# KiCad board ControlBoard.kicad_pcb (continued)
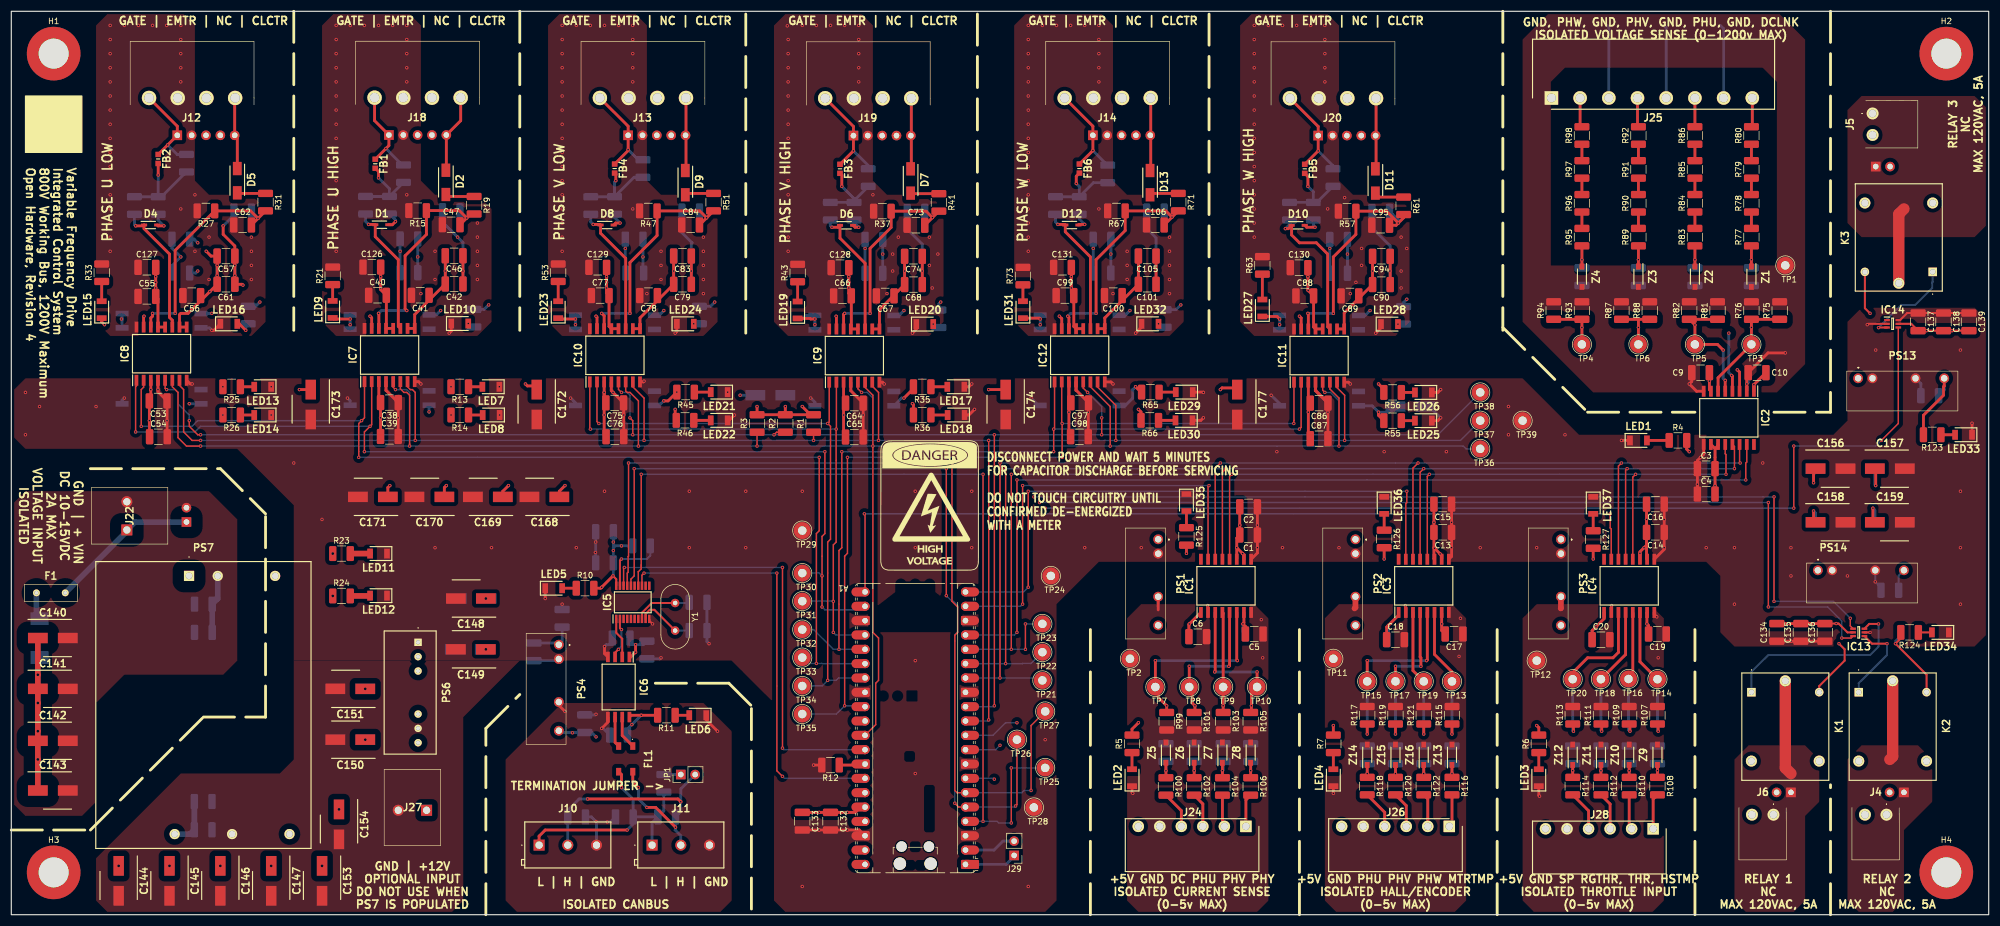
[diagram p0: board, top side]
## Routing (per net, layer and track width the routed paths; a pad name or vN(x,y) marks a point on that pad's centre or on a via; arc(x,y) is an arc through that point) (continued)
  Top w0.5: IC7.4 66.33,92.86 C38.1 v1(68.48,88) C39.2 ; 108.4,90 v1(108.4,88.5) ; v1(108.4,88.5) 108.4,89 ; v1(108.4,88.5) C76.2 ; C98.2 v1(190.62,89) 190.62,90.74 188.47,92.9 IC12.4 188.47,92.85 ; 290.81,62.96 292.56,64.71 v1(292.56,65) v1(292.56,70) C16.1 ; v1(237,94) 236.69,94.31 IC11.8 ; v1(170,94) 169.5,93.5 LED17.1 ; C75.1 v1(106.51,92.51) 106.21,92.81 IC10.4 ; LED25.1 252.5,87.5 v1(253,88) ; LED18.1 169.5,88.5 v1(170.5,89.5) ; v1(298.44,76.25) C4.1 C3.1 298.44,80.44 v1(299,81) 299.56,81.56 IC2.9 ; LED26.1 252.5,92.5 v1(253,93) ; v1(32,94) 31.69,94 IC8.8 ; C133.2 v1(143,15) v1(148,15) 150.1,15 A1.38 ; v1(211,88) 210.55,87.55 LED30.1 ; LED1.1 v1(285,84) ; v1(128,88.5) 127.05,87.55 LED22.1 ; LED33.1 v1(347.05,87.05) ; C87.2 v1(233.04,89) 233.04,90.65 230.84,92.85 230.84,94.31 230.84,92.8 C86.1 ; IC7.8 72.09,94.41 v1(72.5,94) ; C65.2 v1(150.78,88.5) C64.1 148.59,92.8 IC9.4 ; IC12.8 194.64,94.36 v1(195,94) ; v1(105,47.5) 105,46.25 IC6.4 ; LED5.1 v1(94.5,56) ; C134.1 v1(315,48.44) v1(319,48.44) C136.1 ; 219.44,62.96 220.56,64.07 v1(220.56,65) C1.1 v1(220.56,69) C2.1 ; v1(154.5,94) 154.19,94.31 IC9.8 ; C54.2 27.56,84.69 v1(27.56,87.5) C53.1 25.96,92.6 v1(25.96,93) IC8.4 ; 254.44,62.96 254.93,63.44 v1(254.93,65) C13.1 C15.1 ; IC10.8 111.86,94.36 v1(112,94.5) ; R12.2 v1(142,26.5) ; LED29.1 210.95,92.55 v1(211,92.5)
  Bottom w0.35: PS14.5 v1(329.92,58.96) 330.94,57.94 C124.1
  Bottom w0.5: 182.12,90.18 181.82,90.18 v1(180.5,91.5) ; C26.2 C30.2 123.12,48.38 v1(123.5,48) ; C27.2 v1(97.5,55) ; v1(59.5,91.5) 59.97,91.03 PS5.1 ; C125.1 338,94.05 PS13.5 ; 142.24,90.13 142.24,90.77 v1(141.5,91.5) ; C28.1 114.82,45.33 v1(115,45.5) ; v1(223,92) 224.5,90.5 PS11.1 ; v1(253,88) 251,90 C176.2 ; C25.2 v1(103.44,66) C29.2 ; C31.2 96.63,45 PS4.2 ; PS10.1 99.86,90.64 v1(99,91.5) ; v1(105,47.5) 105.32,47.83 106.38,47.83 ; PS8.1 19.61,91.11 v1(20,91.5)
  vias: v1(2.5,92.5) v1(2.5,85) v1(5,90) v1(15,90) v1(46,93.5) v1(46,88.5) v1(50,80) v1(55,70) v1(75,65) v1(85,65) v1(86.38,93.5) v1(86.43,88.5) v1(100,65) v1(103.39,64.16) v1(105,75) v1(120,75) v1(120,65) v1(126.8,92.55) v1(130,75) v1(130,65) v1(140,75) v1(140,5) v1(160,75) v1(160,65) v1(160,45) v1(160,25) v1(170,75) v1(170,65) v1(180,5) v1(183,31) v1(190,65) v1(200,81.55) v1(200,65) v1(224,82) v1(225,65) v1(235,65) v1(243,82) v1(254,82) v1(254.93,69.5) v1(260,65) v1(265,90) v1(265,85) v1(270,65) v1(275,85) v1(300,65) v1(305,65) v1(305,55) v1(310,80) v1(315,65) v1(315,60) v1(325,60) v1(330,100) v1(345,100) v1(345,75) v1(345,65) v1(345,55)
/GND_U: length 57.9
  Top w0.5: IC2.8 298.29,92.71 v1(297,94) 297.44,94.44 C9.1 ; v1(314,99.5) 310.94,99.5 C10.2 307.18,95.74 v1(307.18,94) IC2.2
  Bottom w0.5: J25.5 292.92,157.08 292.5,157.5 ; 282.5,157.5 282.76,157.24 J25.3 ; J25.7 303.08,156.92 302.5,157.5 ; C10.2 307.44,94.26 v1(307.18,94)
/GND_V: length 4.9
  Top w0.5: v1(291.25,52.75) 290.81,53.19 IC4.8 ; LED3.1 270.37,21.13 v1(270.5,21)
  Top w1: 274.25,54.25 274.28,54.28 PS3.5
  vias: v1(283.25,54.75) v1(291.5,45.5)
/GND_W: length 3.4
  Top w0.5: LED4.1 v1(234,21.5)
  Top w1: PS2.5 237.92,54.42 237.75,54.25
  vias: v1(246.75,54.75) v1(256.25,45.75) v1(256.5,52.5)
/OutputRelays/+5V_A_INT: length 35.8
  Top w0.35: v1(329,106.5) 328.08,107.41 K3.4 ; C139.2 v1(343.5,103.44) v1(339,103.44) C137.2 336.29,104.65 IC14.5
  Top w0.5: PS13.7 342.13,93.63 342,93.5 342,92 338.45,88.45 R123.2
  Bottom w0.5: PS13.7 342.13,92.92 C125.2
/OutputRelays/+5V_A_INT_2: length 44.1
  Top w0.35: R124.2 334.45,48.95 v1(333.5,48) 339,42.5 K2.4 ; C136.2 v1(323,51.56) 323.44,51.56 325,50 IC13.5 ; K1.4 320,40.5 324.5,45 324.5,47 v1(323.5,48)
  Top w0.5: C136.2 v1(314.5,51.56) C134.2
  Bottom w0.35: 334.5,49.5 333.5,48.5 v1(333.5,48) ; PS14.7 334.06,60.06 C124.2
  vias: v1(319,51.5)
/ADC_1/ADC2_5VFILTER_1/OUT: length 48.7
  Top w0.5: 203,40.33 203,38.5 v1(204.5,37) R99.1 ; v1(217,45) 216.91,45.09 IC1.6 ; R100.1 v1(204.37,25.5) Z5.1 ; v1(202.5,45) TP7.1
  In4.Cu w0.5: v1(204.5,37) 204.37,36.87 v1(204.37,25.5)
  Bottom w0.5: C112.1 v1(204.37,25.5) ; v1(217,45) v1(202.5,45)
/ADC_1/ADC2_5VFILTER_2/OUT: length 41.4
  Top w0.5: IC1.5 215.63,44.14 v1(215.5,44) ; Z6.1 v1(209.37,25.5) R102.1 ; 209,36.18 R101.1 209.5,35.95 v1(209.5,37) 209,37.5 209,40.33 ; TP8.1 v1(208.5,44)
  In4.Cu w0.5: v1(209.5,37) 209.37,36.87 v1(209.37,25.5)
  Bottom w0.5: v1(208.5,44) v1(215.5,44) ; C113.1 v1(209.37,25.5)
/ADC_1/ADC2_5VFILTER_3/OUT: length 33.9
  Top w0.5: Z7.1 v1(214.37,25.5) R104.1 ; 215,40.33 214.5,39.83 v1(214.5,37) R103.1 ; IC1.4 214.5,53.4 TP9.1
  In4.Cu w0.5: v1(214.5,37) 214.37,36.87 v1(214.37,25.5)
  Bottom w0.5: v1(214.37,25.5) 214.5,25.63 C114.1
/ADC_1/ADC2_5VFILTER_4/OUT: length 42.1
  Top w0.5: R106.1 v1(219.37,25.5) Z8.1 ; IC1.3 213.09,43.09 v1(213,43) ; 221,40.33 TP10.1 ; TP10.1 v1(220.5,43) ; TP10.1 219.5,39.33 v1(219.5,37) 219.5,35.95 R105.1
  In4.Cu w0.5: v1(219.37,25.5) 219.37,36.87 v1(219.5,37)
  Bottom w0.5: C115.1 v1(219.37,25.5) ; v1(220.5,43) v1(213,43)
/ADC_1/VoltageSenseInputStage1/LV_OUT: length 39.4
  Top w0.5: Z2.1 v1(298,116) R83.1 ; v1(303,100) 302,101 TP5.1 v1(298,104.45) R82.1 R81.1 ; v1(303.37,94.64) IC2.5
  In4.Cu w0.5: v1(298,116) v1(298,104.45)
  Bottom w0.5: v1(303,100) 303,95 v1(303.37,94.64) ; C109.1 v1(298,116)
/ADC_1/VoltageSenseInputStage2/LV_OUT: length 53.5
  Top w0.5: TP6.1 288,105.45 ; 288,105.45 R87.1 ; 288,105.45 R88.1 ; R89.1 v1(288,116) Z3.1 ; v1(304.5,95.5) 304.63,95.36 IC2.4
  In1.Cu w0.5: v1(304,103) 300,103 299.5,103.5 288.5,103.5 v1(288,104)
  In4.Cu w0.5: v1(288,116) v1(288,104)
  Bottom w0.5: v1(304.5,95.5) 304,96 v1(304,103) ; C110.1 v1(288,116)
/ADC_1/VoltageSenseInputStage3/LV_OUT: length 59.9
  Top w0.5: R94.1 R93.1 TP4.1 ; Z4.1 v1(278,116) R95.1 ; v1(305.5,96.5) 305.9,96.09 IC2.3
  In1.Cu w0.5: TP4.1 281.5,97.5 304.5,97.5 v1(305.5,96.5)
  In4.Cu w0.5: v1(278,116) v1(278,104)
  Bottom w0.5: C111.1 v1(278,116)
/ADC_1/VoltageSenseInputStage/LV_OUT: length 37.3
  Top w0.5: R77.1 v1(308,116) Z1.1 ; R75.1 R76.1 TP3.1 302.1,95.09 IC2.6
  In4.Cu w0.5: v1(308,116) v1(308,104)
  Bottom w0.5: C108.1 v1(308,116)
/ADC_2/ADC3_5VFILTER_1/OUT: length 35.6
  Top w0.5: IC3.6 251.9,46.09 255,43 TP13.1 ; v1(255,32) 255,33.78 ; Z13.1 v1(255,25) 255,24.32
  In4.Cu w0.5: v1(255,25) v1(255,32)
  Bottom w0.5: C120.1 v1(255,25) ; TP13.1 v1(255,32)
/ADC_2/ADC3_5VFILTER_2/OUT: length 44.8
  Top w0.5: Z14.1 v1(240,25) 240,24.32 ; v1(240,45) TP15.1 ; v1(240,32) 240,33.78 ; v1(250.5,45) 250.63,45.14 IC3.5
  In4.Cu w0.5: v1(240,25) v1(240,32)
  Bottom w0.5: TP15.1 v1(240,32) ; v1(250.5,45) v1(240,45) ; C121.1 v1(240,25)
/ADC_2/ADC3_5VFILTER_3/OUT: length 38.8
  Top w0.5: Z15.1 v1(245,25) 245,24.32 ; v1(245,32) 245,33.78 ; v1(249.5,44) 249.5,45.5 249.37,45.64 IC3.4 ; TP17.1 v1(245,44)
  In4.Cu w0.5: v1(245,25) v1(245,32)
  Bottom w0.5: TP17.1 v1(245,32) ; v1(245,44) v1(249.5,44) ; C122.1 v1(245,25)
/ADC_2/ADC3_5VFILTER_4/OUT: length 35.1
  Top w0.5: TP19.1 248.1,43.23 IC3.3 ; 250,24.32 v1(250,25) Z16.1 ; v1(250,32) 250,33.78
  In4.Cu w0.5: v1(250,25) v1(250,32)
  Bottom w0.5: C123.1 v1(250,25) ; TP19.1 v1(250,32)
/ADC_2/ADC4_5VFILTER_1/OUT: length 34.2
  Top w0.5: 291.37,24.32 v1(291.37,25.5) Z9.1 ; v1(291.5,32.5) 291.5,33.64 291.37,33.78 ; TP14.1 288.27,44.81 IC4.6
  In4.Cu w0.5: v1(291.5,32.5) 291.37,32.37 v1(291.37,25.5)
  Bottom w0.5: C116.1 v1(291.37,25.5) ; v1(291.5,32.5) 291.37,32.63 TP14.1
/ADC_2/ADC4_5VFILTER_2/OUT: length 33.3
  Top w0.5: IC4.5 287,42.5 TP16.1 ; 286.37,24.32 v1(286.37,25.5) Z10.1 ; v1(286.5,32.5) 286.5,33.64 286.37,33.78
  In4.Cu w0.5: v1(286.37,25.5) 286.37,32.37 v1(286.5,32.5)
  Bottom w0.5: TP16.1 286.25,32.75 v1(286.5,32.5) ; C117.1 v1(286.37,25.5)
/ADC_2/ADC4_5VFILTER_3/OUT: length 34.7
  Top w0.5: v1(281.5,32.5) 281.5,33.64 281.37,33.78 ; 281.37,24.32 v1(281.37,25.5) Z11.1 ; IC4.4 285.73,46.08 TP18.1
  In4.Cu w0.5: v1(281.37,25.5) 281.37,32.37 v1(281.5,32.5)
  Bottom w0.5: C118.1 v1(281.37,25.5) ; TP18.1 281.37,32.63 v1(281.5,32.5)
/ADC_2/ADC4_5VFILTER_4/OUT: length 39
  Top w0.5: v1(276.5,32.5) 276.5,33.64 276.37,33.78 ; 276.37,24.32 v1(276.37,25.5) Z12.1 ; TP20.1 276.37,42.87 279,45.5 283.5,45.5 284.5,46.5 284.46,46.54 IC4.3
  In4.Cu w0.5: v1(276.37,25.5) 276.37,32.37 v1(276.5,32.5)
  Bottom w0.5: C119.1 v1(276.37,25.5) ; TP20.1 276.37,32.63 v1(276.5,32.5)
/CAN/CAN_GND: length 22.3
  Top w0.5: IC6.5 105.59,34.09 v1(104.5,33) ; PS4.5 96.92,37.08 v1(98,36) ; LED6.1 123,34.5 v1(125,32.5)
  Bottom w0.5: v1(104.5,33) 104.76,33 C34.1 ; J10.3 103.58,16.42 ; 103.58,16.42 v1(103.5,16.5) 102.67,17.32 C35.1 ; 103.58,16.42 v1(105.5,16.42) 106.03,16.42 C36.2 ; v1(103.5,35.5) 103.39,35.39 C33.2
/CAN/CAN_H_B: length 55.5
  Top w0.5: v1(117.56,15.5) 114.06,19 v1(112.5,19) ; v1(111,22.5) 110,23.5 FL1.4 ; v1(102,20.5) 118,20.5 v1(118.5,20)
  Bottom w0.5: v1(112.5,19) 111,20.5 v1(111,22.5) ; JP1.2 118.5,22.28 v1(118.5,20) 118.5,18.26 C37.1 v1(117.56,15.5) 117.56,15.06 117.5,15 118.5,14 J11.2 ; v1(102,20.5) 100.5,20.5 98.5,18.5 C35.2 J10.2
/CAN/CAN_ISO_5V: length 16.7
  Top w0.5: IC6.8 109.73,35.32 v1(111.5,35.32) R11.2
  Bottom w0.5: C34.2 109.06,32.89 v1(111.5,35.32) ; PS4.7 97.24,32.26 C33.1 102.74,32.26 v1(103.5,31.5)
  vias: v1(99.32,32.21) v1(109.84,33.66)
/CAN/CAN_L_B: length 44.1
  Top w0.5: v1(109,15) 94.5,15 93.42,13.92 J10.1 ; FL1.3 108,24.82 v1(108,22.5)
  Bottom w0.5: R9.2 115.5,18.39 C37.2 ; C36.1 110.06,16.06 v1(109,15) ; C36.1 C37.2 ; C36.1 110.06,20.44 v1(108,22.5) ; C37.2 113.42,16.31 J11.1
/Connectors/PH_U_H_C: length 13.9
  Top w0.5: D2.1 77,131.93 J15.5 79.54,140.63 J18.4
/Connectors/PH_U_H_G: length 17.3
  Top w0.5: FB1.1 v1(66.31,135.69) 66.84,136.22 J15.1 64.3,140.63 J18.1
  Bottom w0.5: R20.1 69.2,132.8 v1(66.31,135.69)
/Connectors/PH_U_L_C: length 12.7
  Top w0.5: J12.4 39.54,144.57 J7.5 40,137.58 D5.1
/Connectors/PH_U_L_G: length 18
  Top w0.5: FB2.1 26,134.66 v1(27.67,136.33) J7.1 29.38,139.65 J12.1
  Bottom w0.5: R32.1 29.35,134.65 v1(27.67,136.33) ; 29,137.66 J7.1
/Connectors/PH_V_H_C: length 12.5
  Top w0.5: D7.1 159.3,132.22 J19.4
/Connectors/PH_V_H_G: length 19
  Top w0.5: FB3.1 v1(149.06,135.28) J16.1 149.06,139.6 J19.1
  Bottom w0.5: v1(149.06,135.28) 151.68,132.66 R42.1
/Connectors/PH_V_L_C: length 12.9
  Top w0.5: J13.4 119.42,131.92 D9.1
/Connectors/PH_V_L_G: length 18.1
  Top w0.5: FB4.1 109.18,135.33 v1(109.18,135.5) J8.1 109.18,139.65 J13.1
  Bottom w0.5: v1(109.18,135.5) 110.98,133.7 R52.1
/Connectors/PH_W_H_C: length 12.5
  Top w0.5: J20.4 241.56,132.22 D11.1
/Connectors/PH_W_H_G: length 19
  Top w0.5: FB5.1 v1(231.32,135.28) J17.1 231.32,139.6 J20.1
  Bottom w0.5: R62.1 233.94,132.66 v1(231.32,135.28)
/Connectors/PH_W_L_C: length 12.9
  Top w0.5: D13.1 201.68,131.92 J14.4
/Connectors/PH_W_L_G: length 18.4
  Top w0.5: J14.1 191.44,139.65 J9.1 v1(191.44,135.33) FB6.1
  Bottom w0.5: R72.1 194.02,132.75 v1(191.44,135.33)
/Control/GATE_DRIVER_FAULT_A: length 359.1
  Top w0.25: IC7.6 68.86,93.14 69.5,92.5 70,92.5 70.5,92 v1(70.5,83) 70.5,83.5 ; IC10.6 108.75,92.75 109,92.5 109.5,92.5 111,91 v1(111,83) ; IC8.6 28.5,93.5 29.5,92.5 29.5,84.5 31,83 v1(33.5,83) ; IC11.6 233.38,93.11 235,91.5 v1(235,83) ; R3.1 v1(132,83) ; v1(194.5,83) 194.5,90 191,93.5 IC12.6 ; A1.31 153,33.66 153,41 153.5,41.5 153.5,49 152.5,50 v1(152.5,83) 152.5,92 151.12,93.38 IC9.6
  Bottom w0.25: v1(33.5,83) v1(111,83) v1(132,83) v1(152.5,83) v1(194.5,83) v1(235,83) 257,83 257.5,82.5 TP36.1
/Control/GATE_DRIVER_READY_A: length 351.9
  Top w0.25: R1.1 v1(142,84) ; v1(153.5,84) 153.5,92.5 152.4,93.61 IC9.7 ; 234.65,94.31 234.65,93.34 236,92 v1(236,84) ; IC8.7 29.77,93.73 30.5,93 30.5,85.5 32,84 v1(33.5,84) ; IC10.7 110.01,93.48 112,91.5 v1(112,84) ; v1(71.5,84) 71.5,92.5 71,93 70.63,93 70.14,93.49 70.14,94.41 ; IC12.7 192.28,93.44 195.5,90.22 v1(195.5,84) ; v1(173,34.5) v1(173,84)
  Bottom w0.25: v1(173,34.5) 172.81,34.31 A1.11 ; v1(33.5,84) v1(71.5,84) v1(112,84) v1(142,84) v1(153.5,84) v1(173,84) v1(195.5,84) v1(236,84) 256.5,84 TP37.1
/Control/GATE_DRIVER_RESET_A: length 354.5
  Top w0.25: v1(109.5,88) 110,87.5 v1(110,85) ; IC11.5 232.12,92.89 v1(232.5,92.5) ; v1(33.5,85) 33,85 31.5,86.5 v1(31.5,87.5) ; R2.1 135.45,85.45 v1(135,85) ; IC9.5 149.85,93.14 v1(150.5,92.5) ; v1(68,93) 67.59,93.41 IC7.5 ; v1(108,92.5) 107.47,93.03 IC10.5 ; v1(190.5,92.5) 189.74,93.27 189.74,94.36 ; v1(27.5,93) 27.42,93 27.23,93.19 IC8.5 ; v1(174,37) v1(174,85) ; v1(193,88) v1(193,85)
  Bottom w0.25: v1(232.5,92.5) 233.5,92.5 235,91 235,85 ; v1(109.5,88) 109.5,92 109,92.5 v1(108,92.5) ; 235,85 v1(193,85) v1(174,85) 152.5,85 ; 235,85 252.5,85 TP38.1 ; A1.12 173.85,36.85 v1(174,37) ; 70.5,85 70.5,92.5 70,93 v1(68,93) ; 70.5,85 v1(33.5,85) ; 70.5,85 v1(110,85) v1(135,85) 152.5,85 ; 152.5,85 152.5,91.5 151.5,92.5 v1(150.5,92.5) ; v1(190.5,92.5) 193,90 v1(193,88) ; 31.5,88 v1(31.5,87.5) 31.5,88.5 29.5,90.5 29.5,92.5 29,93 v1(27.5,93)
/Control/PH_U_H_A: length 191.3
  Top w0.25: 62.52,94.41 62.52,88.02 v1(62,87.5) 61.5,87 v1(61.5,81) ; v1(23,86.5) 23,93 23.42,93.42 IC8.2 ; v1(142.5,44.5) 142.5,67.5 143,68 v1(143,81)
  Bottom w0.25: A1.26 143.53,44.47 143.5,44.5 v1(142.5,44.5) 141.04,44.5 TP33.1 ; v1(143,81) v1(61.5,81) ; v1(62,87.5) 33,87.5 32,86.5 v1(23,86.5)
/Control/PH_U_L_A: length 185.1
  Top w0.25: IC7.2 63.78,86.78 v1(63.5,86.5) 62.5,85.5 v1(62.5,82) ; IC8.1 22.15,93.65 22,93.5 v1(22,85.5) ; v1(144,82) 144,67.5 143.5,67 v1(143.5,60) v1(143.5,54.5)
  Bottom w0.25: A1.22 149.63,54.63 149,54 144,54 v1(143.5,54.5) ; v1(22,85.5) 32.5,85.5 33.5,86.5 v1(63.5,86.5) ; v1(143.5,60) 142.96,60.54 140.04,60.54 TP30.1 ; v1(62.5,82) v1(144,82)
/Control/PH_V_H_A: length 113
  Top w0.25: IC10.2 103.66,87.33 v1(104,87) ; IC9.1 144.78,87.28 v1(144.5,87) 145,86.5 145,66.5 144.5,66 v1(144.5,41.5)
  Bottom w0.25: TP34.1 140.04,40.54 143.54,40.54 v1(144.5,41.5) 146,41.5 146.43,41.93 A1.27 ; v1(104,87) v1(144.5,87)
/Control/PH_V_L_A: length 107.8
  Top w0.25: v1(102.5,86) 102.39,86.11 IC10.1 ; IC9.2 146.04,86.05 v1(146,86) 146,66 145.5,65.5 v1(145.5,55.5) v1(145.5,50)
  Bottom w0.25: TP31.1 145.46,55.54 v1(145.5,55.5) ; v1(145.5,50) 145.95,49.55 A1.24 ; v1(102.5,86) v1(146,86)
/Control/PH_W_H_A: length 155.7
  Top w0.25: IC12.2 185.93,87.08 v1(186,87) v1(186,81) ; v1(227,87) 227,87.5 227.03,87.53 IC11.1 ; v1(148,81) 148,64 147.5,63.5 v1(147.5,37)
  Bottom w0.25: A1.29 150.96,37 v1(147.5,37) 146.04,35.54 TP35.1 ; v1(148,81) v1(186,81) ; v1(186,87) v1(227,87)
/Control/PH_W_L_A: length 149.6
  Top w0.25: IC12.1 184.66,86.16 v1(184.5,86) v1(184.5,82) ; v1(147,82) 147,65 146.5,64.5 v1(146.5,47) ; IC11.2 228.31,86.31 v1(228,86)
  Bottom w0.25: A1.25 151.1,47 v1(146.5,47) 145.5,47 142,50.5 TP32.1 ; v1(184.5,82) v1(147,82) ; v1(228,86) v1(184.5,86)
/DC_LINK_VSENSE_U: length 5.2
  Top w0.5: J25.8 308.16,139.71 R80.2
/HALL_PH_U_W: length 6.9
  Top w0.5: R118.2 243.1,18.13 243.1,15.64
/HALL_PH_V_W: length 6.4
  Top w0.5: R120.2 246.9,19.32 J26.3
/HALL_PH_W_W: length 5.9
  Top w0.5: J26.2 250.71,20.51 R122.2
/HEATSINK_TMP_V: length 6.3
  Top w0.5: J28.1 290.61,20.47 R108.2
/ISENSE_DC_LINK_Y: length 6.6
  Top w0.5: R100.2 207.09,18.44 J24.4
/ISENSE_GND_Y: length 5.5
  Top w0.5: PS1.5 203,54 ; v1(198.5,21.5) 198.37,21.63 LED2.1
  Bottom w0.5: PS1.5 203,54.5
  vias: v1(211.75,54.75) v1(221.25,52.25) v1(221.5,45.5)
/ISENSE_PH_U_Y: length 6.2
  Top w0.5: R102.2 210.91,19.63 J24.3
/ISENSE_PH_V_Y: length 5.7
  Top w0.5: J24.2 214.37,15.99 R104.2
/ISENSE_PH_W_Y: length 5.9
  Top w0.5: R106.2 218.53,20.32 J24.1
/MTR_TMP_W: length 5.8
  Top w0.5: J26.1 255,16.12 R116.2
/PH_U_VSENSE_U: length 5.1
  Top w0.5: J25.6 R86.2
/PH_V_VSENSE_U: length 5.2
  Top w0.5: J25.4 287.84,139.71 R92.2
/PH_W_VSENSE_U: length 5.2
  Top w0.5: J25.2 277.68,139.87 R98.2
/REGEN_THROTTLE_V: length 6.7
  Top w0.5: R112.2 282.99,19.6 J28.3
/RELAY1_COM: length 16.8
  Top w2: 315,25 314,26 K1.5
/RELAY2_COM: length 14.1
  Top w2: K2.5 333,28 332.5,27.5
/RELAY3_COM: length 13.5
  Top w2: K3.5 334.08,124.09 335,125
/RELAY_1_A: length 226
  Top w0.25: IC13.4 325.5,51.15 v1(325.5,52.5) ; v1(312,74) v1(312,55.5)
  In3.Cu w0.25: v1(181,74) 181,71 174,64 174,40 176,38 176,36 174,34 v1(174,24)
  Bottom w0.25: v1(312,74) v1(181,74) ; v1(325.5,52.5) 322.5,55.5 v1(312,55.5) ; v1(174,24) 173.85,24.15 A1.7
/RELAY_2_A: length 220.7
  Top w0.25: v1(324,49) 325.65,49 IC13.6 ; v1(311,73) v1(311,54.5)
  In3.Cu w0.25: v1(182,73) 182,70 175,63 175,44 177,42 177,35 175,33 v1(175,30)
  Bottom w0.25: A1.9 174.23,29.23 v1(175,30) ; v1(311,54.5) 321.5,54.5 324,52 v1(324,49) ; v1(182,73) v1(311,73)
/RELAY_3_A: length 233.4
  Top w0.25: IC14.4 334,87 v1(331,84) ; v1(315.5,72) v1(315.5,83)
  In3.Cu w0.25: v1(178,34) 178,44 176,46 176,62 183,69 v1(183,72)
  Bottom w0.25: v1(315.5,83) 330,83 v1(331,84) ; 184,72 v1(315.5,72) ; 184,72 v1(183,72) ; 184,72 185,72 ; A1.10 173.77,31.77 176,34 v1(178,34)
/SPARE_V: length 7.2
  Top w0.5: R114.2 279.18,18.41 J28.4
/SPI1_CAN_CS_A: length 78
  Top w0.25: v1(136.5,29.5) v1(136.5,61.5) ; v1(108.5,61.5) 108.38,61.38 IC5.18
  Bottom w0.25: A1.32 136.77,29.23 v1(136.5,29.5) ; v1(136.5,61.5) v1(108.5,61.5)
/SPI1_CAN_INT_A: length 77.1
  Top w0.25: v1(112,60.5) 111.62,60.12 IC5.13 ; v1(135.5,60.5) 135.5,25.5 v1(136.5,24.5)
  Bottom w0.25: v1(136.5,24.5) 136.85,24.15 A1.34 ; v1(135.5,60.5) v1(112,60.5)
/SPI1_RX_A: length 166.6
  Top w0.25: A1.6 167.39,21.61 167,22 167,49.5 167.5,50 167.5,54.5 166.5,55.5 v1(166.5,80) ; IC5.17 109.03,60.5 109.18,60.65 109.18,63.43 109.25,63.5 v1(109.25,80) ; TP27.1 180.5,33.5 v1(180.5,22)
  Bottom w0.25: A1.6 178.86,21.61 179.25,22 v1(180.5,22) ; v1(166.5,80) v1(109.25,80)
/SPI1_SCK_A: length 166.4
  Top w0.25: 111.5,61.5 111.5,61.25 110.97,60.72 IC5.14 ; 111.5,61.5 111.5,62 ; 111.5,61.5 v1(111.5,78) ; v1(177,26) v1(177,16.25) ; v1(172,78) v1(172,16.53)
  Bottom w0.25: TP25.1 v1(177,26) ; v1(177,16.25) 174.75,16.25 174.47,16.53 v1(172,16.53) A1.4 ; v1(111.5,78) v1(172,78)
/SPI1_TX_A: length 159.6
  Top w0.25: v1(165.5,56.5) v1(165.5,79) ; v1(167,19.75) 167.68,19.07 A1.5 ; TP26.1 178,19.5 v1(177.75,19.25) ; v1(110.25,79) 110.25,60 109.68,59.42 IC5.16
  Bottom w0.25: v1(165.5,79) v1(110.25,79) ; v1(165.5,56.5) 166.5,55.5 166.75,55.5 167.5,54.75 167.5,50.08 167,49.58 v1(167,19.75) ; v1(177.75,19.25) 177.57,19.07 A1.5
/SPI2_ADC1_CS_A: length 171.7
  Top w0.25: IC2.15 307.18,80.17 307,80 v1(307,77) ; v1(178,50) v1(178,77)
  Bottom w0.25: v1(178,77) v1(307,77) ; A1.17 177.55,49.55 v1(178,50)
/SPI2_ADC2_CS_A: length 77.4
  Top w0.25: 211.82,62.96 211.82,75.83 v1(212,76) ; v1(179,55) v1(179,76)
  Bottom w0.25: v1(179,76) v1(212,76) ; A1.19 178.63,54.63 v1(179,55)
/SPI2_ADC3_CS_A: length 107.6
  Top w0.25: v1(180,58) v1(180,75) ; v1(247,75) 247,73 246.82,72.83 246.82,62.96
  Bottom w0.25: v1(180,75) v1(247,75) ; v1(180,58) 179.17,57.17 A1.20
/SPI2_ADC4_CS_A: length 155
  Top w0.25: v1(283,71) 283,68.5 283.19,68.31 283.19,62.96 ; A1.21 151.11,70.89 v1(151,71)
  Bottom w0.25: 184,71 185,71 ; 184,71 v1(283,71) ; 184,71 v1(151,71)
/SPI2_RX_A: length 226.6
  Top w0.25: 250.63,62.96 250.63,77.64 v1(251,78) ; v1(287.5,78) 287,77.5 287,62.96 ; v1(303.5,78) 303.5,81.5 303.37,81.64 IC2.12 ; v1(177,47.01) v1(177,78) ; v1(179.5,47) v1(179.5,51.5) ; v1(216,78) 215.63,77.64 215.63,62.96
  Bottom w0.25: v1(303.5,78) v1(287.5,78) v1(251,78) v1(216,78) v1(177,78) ; A1.16 179.49,47.01 v1(179.5,47) ; v1(179.5,51.5) TP23.1
/SPI2_SCK_A: length 238.3
  Top w0.25: 284.46,62.96 284.46,79.46 v1(285,80) ; v1(214,80) 213.09,79.09 213.09,62.96 ; 248.1,62.96 248.1,79.09 v1(249,80) ; IC2.14 305.9,80.09 v1(306,80) ; v1(175,41.93) v1(175,80)
  Bottom w0.25: v1(175,80) v1(214,80) v1(249,80) v1(285,80) v1(306,80) ; A1.14 v1(175,41.93) 182.07,41.93 TP21.1
/SPI2_TX_A: length 231.3
  Top w0.25: v1(286,79) 285.73,78.73 285.73,62.96 ; IC2.13 305,82.92 v1(305,79) ; v1(250,79) 249.37,78.36 249.37,62.96 ; 214.37,62.96 214.37,78.36 v1(215,79) ; v1(176,44.47) 176,78.91 v1(175.91,79)
  Bottom w0.25: TP22.1 180.5,44.5 179,44.5 178.97,44.47 v1(176,44.47) A1.15 ; v1(175.91,79) v1(215,79) v1(250,79) v1(286,79) v1(305,79)
/THROTTLE_V: length 6.2
  Top w0.5: R110.2 286.37,15.64 J28.2
Net-(A1-AGND): length 3.8
  Top w0.5: R12.1 150.12,26.5 A1.33
Net-(A1-GPIO0): length 9.4
  Bottom w0.5: A1.1 176.09,8.91 177.5,10.31 J29.1
Net-(A1-GPIO1): length 9.3
  Bottom w0.5: J29.2 175.54,13.04 173.95,11.45 A1.2
Net-(C140-+): length 27
  Top w1: C143.1 v2(4.7,27.5) v2(4.7,32.5) v2(4.7,37.5) v2(4.7,42.5) C140.1
Net-(D1-A): length 3.3
  Top w0.5: v1(68,122.75) 67.45,122.2 D1.2
  Bottom w0.5: v1(68,122.75) 68,123.02 R17.2
Net-(D1-K): length 23.5
  Top w0.5: v1(63.25,122.25) 64.37,122.25 D1.1 64.42,120.08 68.5,116 68.5,104.2 IC7.11
  Bottom w0.5: v1(63.25,122.25) 62.71,122.79 R16.2
Net-(D2-A): length 5.1
  Top w0.5: D2.2 77.27,127.2 R19.1
Net-(D3-A): length 4.8
  Bottom w1: D3.2 4.45,53 F1.2
Net-(D4-A): length 3.7
  Top w0.5: D4.2 25.97,122 v1(27,122)
  Bottom w0.5: R29.2 26,123 v1(27,122)
Net-(D4-K): length 23.8
  Top w0.5: IC8.11 28.5,105.29 28.01,105.78 28.01,106 28,106.01 28,117 23.5,121.5 D4.1 23.35,122 v1(22,122)
  Bottom w0.5: v1(22,122) 21.79,122.21 R28.2
Net-(D5-A): length 5
  Top w0.5: R31.1 40.1,127.75 D5.2
Net-(D6-A): length 2.8
  Top w0.5: v1(150,121.75) 149.35,121.75 D6.2
  Bottom w0.5: R39.2 149.18,122.57 v1(150,121.75)
Net-(D6-K): length 23.2
  Top w0.5: v1(145.25,121.75) 146.33,121.75 D6.1 146.68,119.82 151.12,115.38 IC9.11
  Bottom w0.5: R38.2 144.97,122.03 v1(145.25,121.75)
Net-(D7-A): length 5
  Top w0.5: R41.1 159.28,127.7 D7.2
Net-(D8-A): length 3.2
  Top w0.5: D8.2 106.97,122.5 v1(107.75,122.5)
  Bottom w0.5: v1(107.75,122.5) 106.78,123.47 R49.2
Net-(D8-K): length 23.5
  Top w0.5: v1(103,122.25) 104.2,122.25 D8.1 104.3,120.7 108.75,116.25 IC10.11
  Bottom w0.5: v1(103,122.25) 102.57,122.68 R48.2
Net-(D9-A): length 5.1
  Top w0.5: D9.2 119.55,127.75 R51.1
Net-(D10-A): length 3.4
  Top w0.5: v1(230.75,121.75) 229.29,121.75 D10.2
  Bottom w0.5: R59.2 230.46,122.04 v1(230.75,121.75)
Net-(D10-K): length 26.2
  Top w0.5: v1(225.5,121.5) 226.02,121.5 D10.1 226.62,120.38 228,119 231,119 233,117 233,104.12 IC11.11
  Bottom w0.5: R58.2 226.25,122.25 v1(225.5,121.5)
Net-(D11-A): length 5.3
  Top w0.5: D11.2 242.14,127.1 R61.1
Net-(D12-A): length 3.4
  Top w0.5: D12.2 188.98,122.25 v1(190,122.25)
  Bottom w0.5: R69.2 189.04,123.21 v1(190,122.25)
Net-(D12-K): length 23.5
  Top w0.5: v1(185.25,122.25) 186.46,122.25 D12.1 186.56,120.94 191,116.5 IC12.11
  Bottom w0.5: R68.2 184.83,122.67 v1(185.25,122.25)
Net-(D13-A): length 5.1
  Top w0.5: R71.1 201.81,127.75 D13.2
Net-(FB1-Pad2): length 13.8
  Top w0.5: v1(65,130.5) 65,131.62 FB1.2
  Bottom w0.5: R17.1 66.92,128.58 v1(65,130.5) ; R17.1 R16.1 ; R17.1 R20.2
Net-(FB2-Pad2): length 16.9
  Top w0.5: FB2.2 v1(26,131)
  Bottom w0.5: R29.1 26.6,127.15 R32.2 ; R29.1 R28.1 ; R29.1 v1(26,131)
Net-(FB3-Pad2): length 14.3
  Top w0.5: FB3.2 147,130.98 v1(147,129)
  Bottom w0.5: R39.1 149.18,126.82 v1(147,129) ; R39.1 R38.1 ; R39.1 149.18,126.5 R42.2
Net-(FB4-Pad2): length 15
  Top w0.5: FB4.2 107,131.15 v1(107,130)
  Bottom w0.5: R52.2 110.23,130.6 R49.1 ; v1(107,130) 106.78,129.78 R49.1 ; R49.1 R48.1
Net-(FB5-Pad2): length 14.6
  Top w0.5: v1(229.5,129) 229.5,130.74 FB5.2
  Bottom w0.5: R58.1 R59.1 ; R59.1 230.46,128.04 v1(229.5,129) ; R59.1 231.09,126.15 R62.2
Net-(FB6-Pad2): length 14.9
  Top w0.5: FB6.2 188.5,130.79 v1(188.5,129.5)
  Bottom w0.5: R72.2 191.54,129.65 R69.1 ; v1(188.5,129.5) 189.04,128.96 R69.1 ; R69.1 R68.1
Net-(IC1-REF): length 7.4
  Top w0.5: C6.1 208.44,51.42 v1(208.51,51.49) IC1.1
  Bottom w0.5: C6.1 208.44,51.42 v1(208.51,51.49)
Net-(IC1-VDDF): length 6
  Top w0.5: IC1.7 218.18,51.67 v1(218,51.5) 218.44,51.06 C5.2
  Bottom w0.5: v1(218,51.5) 218,50.15 C5.2
Net-(IC2-REF): length 7.2
  Top w0.5: IC2.1 v1(308.44,93.88) C10.1
  Bottom w0.5: C10.1 v1(308.44,93.88)
Net-(IC2-VDDF): length 4.9
  Top w0.5: C9.2 v1(300.56,94.5) 300.56,92.97 IC2.7
  Bottom w0.5: C9.2 v1(300.56,94.5)
Net-(IC3-REF): length 8.3
  Top w0.5: IC3.1 245.56,53.06 v1(243.75,51.25) 243.44,50.94 C18.1
  Bottom w0.5: v1(243.75,51.25) 243.75,48.96 C22.1
Net-(IC3-VDDF): length 6.1
  Top w0.5: C17.2 253.18,50.34 v1(253.18,51.5) IC3.7
  Bottom w0.5: C17.2 253.18,50.34 v1(253.18,51.5)
Net-(IC4-REF): length 8.3
  Top w0.5: C20.1 279.81,50.31 v1(280.5,51) 281.92,52.42 IC4.1
  Bottom w0.5: v1(280.5,51) 279.81,50.31 C20.1
Net-(IC4-VDDF): length 5.9
  Top w0.5: IC4.7 289.5,53.49 v1(289.5,51.5) 289.81,51.19 C19.2
  Bottom w0.5: C19.2 289.81,51.19 v1(289.5,51.5)
Net-(IC5-OSC1): length 10.4
  Top w0.35: Y1.2 113.82,54 113,54 112.28,53.28 IC5.9
  Bottom w0.35: Y1.2 C30.1
Net-(IC5-OSC2): length 10.2
  Top w0.35: IC5.8 111.62,53.47 113.36,55.2 Y1.1
  Bottom w0.35: Y1.1 119.88,55.2 C26.1
Net-(IC5-RXCAN): length 7.3
  Top w0.35: v1(108,50.5) 107.72,50.78 IC5.2 ; IC6.3 106.87,46.41 v1(107.46,47)
  Bottom w0.35: v1(108,50.5) 108,47.54 v1(107.46,47)
Net-(IC5-TXCAN): length 7.2
  Top w0.35: IC6.2 108.13,48.86 107.07,49.92 IC5.1
Net-(IC5-~{RESET}): length 11.9
  Top w0.35: v1(108,63) 107.72,62.72 IC5.19
  Bottom w0.35: R8.1 113.1,63.6 112.5,63 v1(108,63)
